# Altium PCB MB1137.PcbDoc (part 3 of 4) (continued)
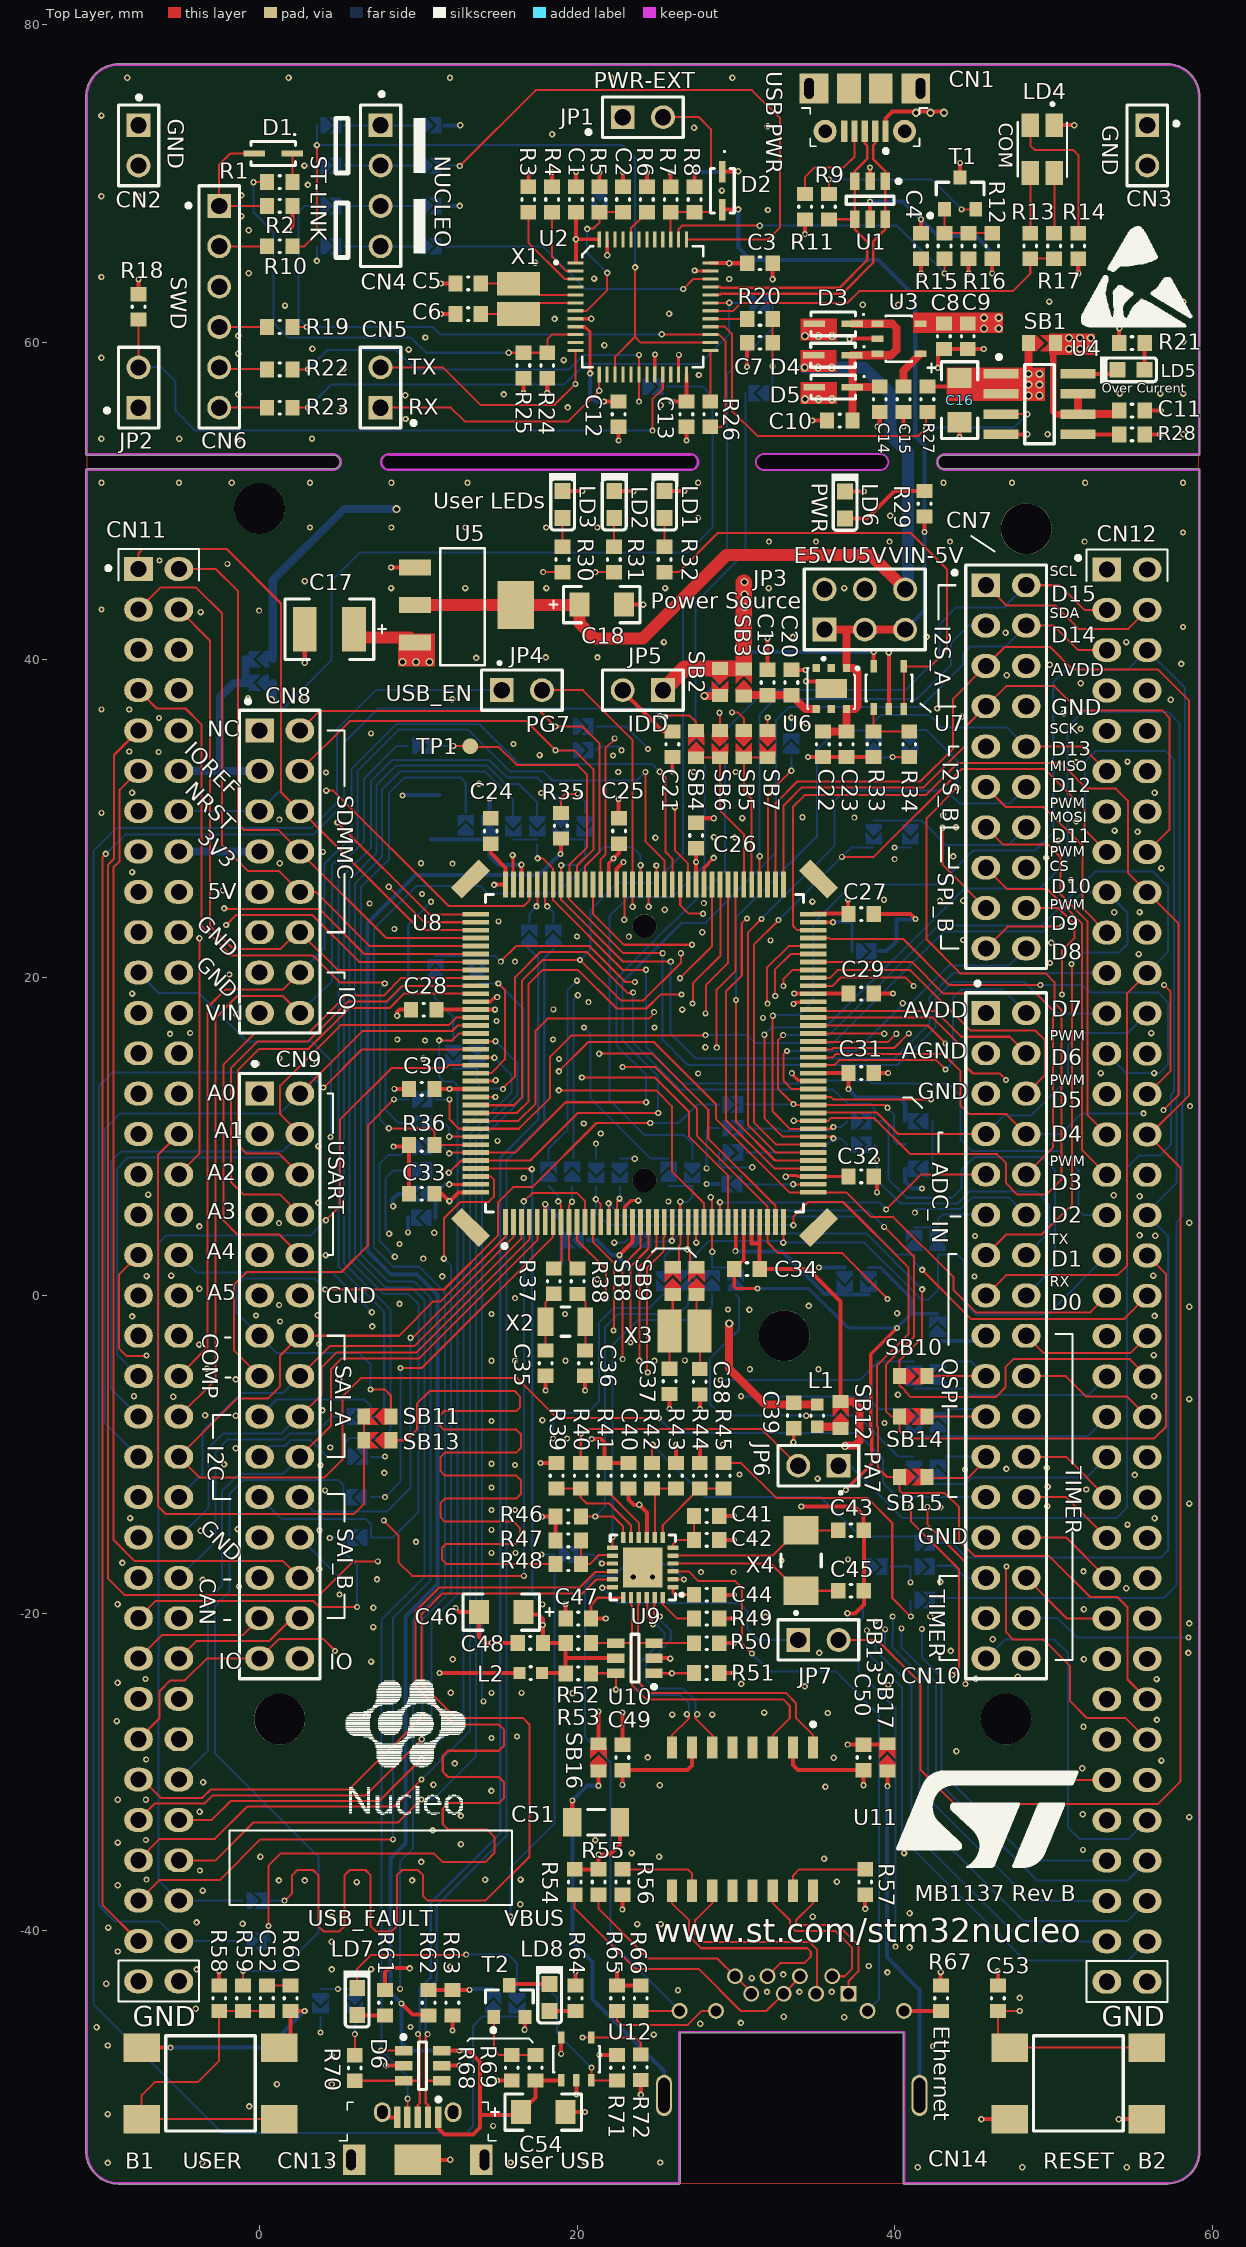
[diagram p0: Top Layer view]
## Nets (pads, with @x,y where several pads share a name; then routed paths per layer and width w, separated by ;. In a path a pad name is that pad's centre, name@x,y a point inside that pad or via, vN(x,y) a via of type N, cw(c..) or ccw(c..) an arc to the next point about the centre after c; other vN are vias at no path point) (continued)
  Top Layer w0.127: CN11.1@-7.62,45.72 -7.62,46.711 -7.341,46.99 -2.083,46.99 1.35,43.557 1.35,31.67 CN8.6@2.54,30.48 2.641,30.48 10.131,22.99 U8.111@13.607,22.99
PC11: CN8.8 CN11.2 U8.112 | length 36.9
  Top Layer w0.127: CN11.2@-5.08,45.72 -2.743,45.72 -1.346,44.323 -1.346,29.667 -0.991,29.312 1.168,29.312 CN8.8@2.54,27.94 7.99,22.49 U8.112@13.607,22.49
PC12: CN8.10 CN11.3 U8.113 | length 39.7
  Top Layer w0.127: CN11.3@-7.62,43.18 -6.248,44.552 -3.988,44.552 -2.362,42.926 -2.362,28.346 -0.737,26.721 1.219,26.721 CN8.10@2.54,25.4 3.531,25.4 6.941,21.99 U8.113@13.607,21.99
PC13: CN11.23 SB173.1 U8.7 | length 70.7
  Top Layer w0.127: v2(8.865,-4.572) 10.219,-4.572 18.482,3.691 U8.7@18.482,4.615
  Signal w0.127: CN11.23@-7.62,17.78 -9.366,16.034 -9.366,-10.726 -8.661,-11.43 6.629,-11.43 v2(7.899,-12.7)
  Bottom Layer w0.127: SB173.1@7.004,-12.7 v2(7.899,-12.7) 8.865,-11.735 v2(8.865,-4.572)
PC14: R37.2 SB144.1 U8.8 | length 5.7
  Top Layer w0.127: R37.2@18.517,1.695 19.002,2.181 19.002,4.594 U8.8@18.982,4.615 18.982,5.706 v1@18.796,5.891
  Bottom Layer w0.127: SB144.1@18.186,6.89 18.796,6.28 v1(18.796,5.918)
PC15: R38.2 SB145.1 U8.9 | length 5.5
  Top Layer w0.127: v1(19.667,5.891) 19.482,5.706 U8.9@19.482,4.615 19.482,2.223 R38.2@20.015,1.689
  Bottom Layer w0.127: v1(19.667,5.891) SB145.1@19.667,6.878
PD0: CN9.25 CN11.57 U8.114 | length 88.8
  Top Layer w0.127: v1@-2.285,24.332 3.176,24.332 3.76,24.332 6.602,21.49 U8.114@13.607,21.49
  Signal w0.127: -8.062,24.332 -7.178,24.332 ; -8.063,24.333 -8.585,24.333 -10.072,22.847 -10.072,-24.523 -9.195,-25.4 CN11.57@-7.62,-25.4 -6.299,-24.079 -6.299,-22.174 -5.791,-21.666 -3.353,-21.666 -2.515,-20.828 -2.515,-18.751 -1.544,-17.78 CN9.25@0,-17.78 ; -7.177,24.333 -5.523,24.333 ; -5.522,24.332 -4.638,24.332 ; -4.637,24.333 -2.261,24.333 v1(-2.235,24.359)
PD1: CN9.27 CN11.55 U8.115 | length 81.4
  Top Layer w0.127: CN11.55@-7.62,-22.86 -6.148,-21.388 -1.068,-21.388 CN9.27@0,-20.32 ; v1(-2.108,23.317) -1.474,23.951 3.303,23.951 6.264,20.99 U8.115@13.607,20.99
  Signal w0.127: -8.221,23.952 -8.427,23.952 -9.719,22.661 -9.719,-21.981 -8.84,-22.86 CN11.55@-7.62,-22.86 ; -8.22,23.951 -7.02,23.951 ; -7.019,23.952 -5.681,23.952 ; -5.68,23.951 -4.48,23.951 ; -4.479,23.952 -2.743,23.952 v1(-2.108,23.317)
PD2: CN8.12 CN11.4 U8.116 | length 39.5
  Top Layer w0.127: CN11.4@-5.08,43.18 -3.124,41.224 -3.124,23.277 -1.639,21.792 1.31,21.792 2.378,22.86 CN8.12@2.54,22.86 4.91,20.49 U8.116@13.607,20.49
PD3: CN9.10 CN11.40 U8.117 | length 44.4
  Top Layer w0.127: CN9.10@2.54,2.54 1.245,3.835 -1.396,3.835 -2.285,4.724 -2.285,14.518 -0.268,16.535 3.099,16.535 5.435,18.871 7.808,18.871 8.927,19.99 U8.117@13.607,19.99
  Signal w0.127: CN11.40@-5.08,-2.54 -2.667,-2.54 -1.219,-1.092 -1.219,0.66 -0.407,1.472 1.472,1.472 CN9.10@2.54,2.54
PD4: CN9.8 CN11.39 U8.118 | length 45.3
  Top Layer w0.127: CN9.8@2.54,5.08 1.257,6.363 -1.03,6.363 -1.803,7.136 -1.803,14.306 -0.133,15.977 3.039,15.977 5.553,18.49 7.975,18.49 8.974,19.49 U8.118@13.607,19.49
  Signal w0.127: CN11.39@-7.62,-2.54 -6.529,-1.449 -2.769,-1.449 -1.651,-0.331 -1.651,3.199 -0.838,4.012 1.472,4.012 CN9.8@2.54,5.08
PD5: CN9.6 CN11.41 U8.119 | length 52.2
  Top Layer w0.127: CN9.6@2.54,7.62 1.219,8.941 -0.838,8.941 -1.372,9.474 -1.372,14.173 -0.025,15.519 3.081,15.519 5.647,18.085 8.179,18.085 9.084,18.99 U8.119@13.607,18.99
  Bottom Layer w0.127: CN11.41@-7.62,-5.08 -8.965,-3.735 -8.965,7.977 -8.254,8.688 1.472,8.688 CN9.6@2.54,7.62
PD6: CN9.4 CN11.43 U8.122 | length 47
  Top Layer w0.127: CN9.4@2.54,10.16 1.295,11.405 1.295,13.208 5.105,17.018 11.906,17.018 12.378,17.49 U8.122@13.607,17.49
  Bottom Layer w0.127: CN11.43@-7.62,-7.62 -9.346,-5.894 -9.346,8.434 -8.711,9.069 1.449,9.069 CN9.4@2.54,10.16
PD7: CN9.2 CN11.45 U8.123 | length 47.5
  Top Layer w0.127: CN9.2@2.54,12.7 6.477,16.637 12.116,16.637 12.469,16.99 U8.123@13.607,16.99
  Bottom Layer w0.127: CN11.45@-7.62,-10.16 -9.727,-8.053 -9.727,10.49 -8.762,11.455 1.295,11.455 CN9.2@2.54,12.7
PD8: SB5.2 SB7.2 U8.77 | length 9.7
  Top Layer w0.127: U8.77@30.961,25.886 30.961,31.266 30.48,31.747 SB5.2@30.48,33.846 SB7.2@31.979,33.846
PD9: SB4.1 SB6.2 U8.78 | length 10.1
  Top Layer w0.127: SB4.1@27.483,33.845 SB6.2@28.981,33.846 28.981,30.531 30.48,29.032 U8.78@30.482,25.865
PD10: CN12.65 U8.79 | length 79.3
  Top Layer w0.127: v2(28.778,15.596) 28.778,19.248 29.972,20.442 U8.79@29.972,25.855
  Signal w0.127: v2(28.778,15.596) 29.461,14.912 36.954,14.912 38.278,13.589 38.278,-6.039 39.835,-7.596 39.835,-18.194 41.688,-20.047 v2(41.688,-21.006)
  Bottom Layer w0.127: v2(41.688,-21.006) 41.688,-22.79 42.926,-24.028 42.926,-30.023 48.489,-35.585 CN12.65@53.34,-35.585
PD11: CN12.45 SB174.2 SB175.1 U8.80 | length 75.9
  Top Layer w0.127: v2(28.067,17.755) 28.092,17.78 28.092,19.533 29.482,20.922 U8.80@29.482,25.865
  Signal w0.127: v2(28.067,17.755) 30.023,17.755 32.283,20.015 50.673,20.015 51.029,19.66 51.029,13.606 51.359,13.276 51.359,-8.204 CN12.45@53.34,-10.185
  Bottom Layer w0.127: 41.707,-11.862 44.45,-11.862 44.856,-11.455 52.07,-11.455 CN12.45@53.34,-10.185
PD12: CN12.43 SB171.2 SB172.1 U8.81 | length 74.3
  Top Layer w0.127: v2(27.254,18.382) 27.28,18.407 27.28,19.644 29.002,21.367 U8.81@29.002,25.844
  Signal w0.127: v2(27.254,18.382) 28.771,18.382 31.379,20.99 43.353,20.99 43.974,20.368 50.819,20.368 51.382,19.806 51.382,13.752 51.765,13.368 51.765,-6.071 CN12.43@53.34,-7.645
  Bottom Layer w0.127: 41.707,-8.865 43.205,-8.865 52.121,-8.865 CN12.43@53.34,-7.645
PD13: CN12.41 SB167.2 SB168.1 U8.82 | length 73.7
  Top Layer w0.127: v2(26.459,19.964) 28.482,21.987 U8.82@28.482,25.865
  Signal w0.127: v2(26.459,19.964) 27.904,19.964 30.852,22.912 46.162,22.912 ; 46.163,22.911 47.817,22.911 ; 47.818,22.912 50.012,22.912 51.735,21.189 51.735,13.898 52.146,13.487 52.146,-3.912 CN12.41@53.34,-5.105
  Bottom Layer w0.127: SB167.2@41.192,-5.874 43.205,-5.874 44.355,-5.874 44.755,-6.274 52.172,-6.274 CN12.41@53.34,-5.105
PD14: CN7.16 CN12.46 U8.85 | length 73.7
  Top Layer w0.127: v1@26.06,30.82 v1(26.142,30.738) 26.142,28.019 26.961,27.2 U8.85@26.961,25.886
  Signal w0.127: v1(26.142,30.738) 46.656,30.738 46.99,30.404 46.99,28.194 CN7.16@48.26,26.924 48.438,26.746 53.848,26.746 54.584,26.01 54.584,-8.889 CN12.46@55.88,-10.185
PD15: CN7.18 CN12.48 U8.86 | length 67.6
  Top Layer w0.127: U8.86@26.482,25.865 26.482,24.572 27.026,24.028 v1(27.913,24.028) ; CN7.18@48.26,24.384 50.293,24.384 51.308,23.369 51.308,22.504 50.521,21.717 v2(50.521,18.948)
  Signal w0.127: v1(27.913,24.028) 27.984,24.028 29.407,25.452 47.192,25.452 CN7.18@48.26,24.384 CN7.18@48.323,24.32 ; v2(50.521,18.948) 50.521,13.614 50.876,13.259 50.876,-8.738 51.918,-9.779 51.918,-10.668 52.588,-11.339 54.431,-11.339 55.818,-12.725 CN12.48@55.88,-12.725
PE0: CN10.33 CN12.64 U8.141 | length 83.6
  Top Layer w0.127: U8.141@13.607,7.99 17.105,7.99 v1(17.145,7.95)
  Signal w0.127: v2(17.805,-19.444) 18.259,-19.898 19.465,-19.898 19.653,-19.71 28.556,-19.71 30.538,-21.692 30.963,-21.692 32.322,-23.051 45.529,-23.051 CN10.33@45.72,-22.86
  Bottom Layer w0.127: v1(17.145,7.95) 17.17,7.95 17.166,7.945 17.166,-18.805 v2(17.805,-19.444) ; CN10.33@45.72,-22.86 46.914,-21.666 50.038,-21.666 50.876,-22.504 50.876,-33.477 51.613,-34.214 54.712,-34.214 CN12.64@55.88,-33.045
PE1: CN11.61 U8.142 | length 58.8
  Top Layer w0.127: CN11.61@-7.62,-30.48 -7.366,-30.48 -6.219,-31.627 -3.6,-31.627 -3.088,-31.115 5.627,-31.115 v2@10.262,-26.48 ; v1(11.608,2.318) 11.608,4.852 12.647,5.891 14.432,5.891 14.749,6.208 14.749,7.298 14.557,7.49 U8.142@13.607,7.49
  Bottom Layer w0.127: v2(10.262,-26.454) 10.262,-20.396 12.065,-18.593 12.065,1.861 v1(11.608,2.318) v1@11.627,2.337
PE2: CN9.14 CN10.25 CN11.46 U8.1 | length 88.6
  Top Layer w0.127: U8.1@15.482,4.615 15.482,3.701 11.399,-0.381 10.942,-0.381 8.783,-2.54 CN9.14@2.54,-2.54 1.295,-3.785 1.295,-5.715 0.533,-6.477 -1.397,-6.477 CN11.46@-5.08,-10.16 -3.785,-11.455 4.101,-11.455 5.207,-10.35 5.207,-6.375 6.375,-5.207 16.231,-5.207 18.745,-7.722 v2(25.146,-7.722)
  Bottom Layer w0.127: v2(25.146,-7.722) 26.086,-8.661 37.636,-8.661 39.243,-10.268 39.243,-11.786 40.157,-12.7 CN10.25@45.72,-12.7
PE3: CN9.22 CN11.47 U8.2 | length 38.5
  Top Layer w0.127: v2(9.5,-2.667) 9.652,-2.667 15.982,3.663 U8.2@15.982,4.615
  Signal w0.127: CN11.47@-7.62,-12.7 -6.552,-13.768 1.472,-13.768 CN9.22@2.54,-12.7
  Bottom Layer w0.127: CN9.22@2.54,-12.7 3.454,-13.614 8.001,-13.614 9.5,-12.116 v2(9.5,-2.667)
PE4: CN9.16 CN11.48 U8.3 | length 30.9
  Top Layer w0.127: CN9.16@2.54,-5.08 4.42,-3.2 9.727,-3.2 16.482,3.554 U8.3@16.482,4.615
  Bottom Layer w0.127: CN11.48@-5.08,-12.7 -3.607,-11.227 -3.607,-8.561 -1.194,-6.148 1.472,-6.148 CN9.16@2.54,-5.08
PE5: CN9.18 CN11.50 U8.4 | length 34.1
  Top Layer w0.127: CN9.18@2.54,-7.62 3.912,-6.248 3.912,-4.521 4.851,-3.581 9.885,-3.581 16.982,3.515 U8.4@16.982,4.615
  Bottom Layer w0.127: CN11.50@-5.08,-15.24 -3.2,-13.36 -3.2,-9.602 -2.286,-8.688 1.394,-8.688 2.461,-7.62 CN9.18@2.54,-7.62
PE6: CN9.20 CN11.62 U8.5 | length 48.9
  Top Layer w0.127: CN9.20@2.54,-10.16 4.496,-8.204 4.496,-4.648 5.182,-3.962 10.043,-3.962 17.482,3.476 U8.5@17.482,4.615
  Bottom Layer w0.127: CN11.62@-5.08,-30.48 -3.251,-28.651 -3.251,-19.126 -2.362,-18.237 -2.362,-12.294 -1.32,-11.251 1.449,-11.251 CN9.20@2.54,-10.16
PE7: CN10.20 CN12.44 U8.58 | length 41.8
  Top Layer w0.127: U8.58@34.857,16.99 42.052,16.99 v2@43.186,15.856 ; CN10.20@48.26,-5.08 50.749,-5.08 52.019,-6.35 54.585,-6.35 CN12.44@55.88,-7.645
  Signal w0.127: v2(43.18,15.85) 43.193,15.85 44.526,14.516 44.526,-3.531 44.806,-3.81 46.99,-3.81 CN10.20@48.26,-5.08
PE8: CN10.18 CN12.40 U8.59 | length 39.5
  Top Layer w0.127: U8.59@34.857,17.49 42.378,17.49 44.399,15.469 44.399,14.478 44.909,13.968 46.598,13.968 46.99,13.576 v2(46.99,13.564) ; CN10.18@48.26,-2.54 49.353,-3.633 54.812,-3.633 CN12.40@55.88,-2.565
  Signal w0.127: v2(46.99,13.564) 46.99,-1.27 CN10.18@48.26,-2.54
PE9: CN10.4 CN12.52 U8.60 | length 52.1
  Top Layer w0.127: U8.60@34.857,17.99 34.937,17.91 42.545,17.91 44.173,16.281 47.219,16.281 CN10.4@48.26,15.24
  Signal w0.127: CN10.4@48.26,15.24 50.394,13.106 50.394,-9.042 51.511,-10.16 51.511,-15.773 52.273,-16.535 54.61,-16.535 CN12.52@55.88,-17.805
PE10: CN10.24 CN12.47 U8.63 | length 47.1
  Top Layer w0.127: U8.63@34.857,19.49 36.076,19.49 36.601,20.015 40.64,20.015 v2(41.173,19.482) ; CN10.24@48.26,-10.16 50.775,-10.16 CN12.47@53.34,-12.725
  Signal w0.127: v2(41.173,19.482) 42.598,18.057 42.598,13.752 43.752,12.598 43.752,-8.369 44.451,-9.069 46.32,-9.069 ; 46.321,-9.068 47.168,-9.068 CN10.24@48.26,-10.16
PE11: CN10.6 CN12.56 U8.64 | length 60.4
  Top Layer w0.127: U8.64@34.857,19.99 35.916,19.99 36.395,20.469 40.95,20.469 44.757,16.662 48.844,16.662 49.454,16.053 49.454,13.894 CN10.6@48.26,12.7
  Signal w0.127: CN10.6@48.26,12.7 50.013,10.947 50.013,-9.161 51.13,-10.278 51.13,-20.117 52.526,-21.513 54.508,-21.513 CN12.56@55.88,-22.885
PE12: CN10.26 CN12.49 U8.65 | length 53.1
  Top Layer w0.127: v2(32.969,19.482) 32.969,19.908 33.551,20.49 U8.65@34.857,20.49 ; CN10.26@48.26,-12.7 50.775,-12.7 CN12.49@53.34,-15.265
  Signal w0.127: v2@32.995,19.507 40.056,19.507 42.189,17.374 42.189,13.602 43.37,12.421 43.37,-10.721 44.282,-11.632 47.192,-11.632 CN10.26@48.26,-12.7
PE13: CN10.10 CN12.55 U8.66 | length 60
  Top Layer w0.127: U8.66@34.857,20.99 41.059,20.99 43.05,18.999 48.895,18.999 49.936,17.958 49.936,9.296 CN10.10@48.26,7.62
  Signal w0.127: CN10.10@48.26,7.62 49.632,6.248 49.632,-9.279 50.749,-10.397 50.749,-20.295 CN12.55@53.34,-22.885
PE14: CN10.28 CN12.51 U8.67 | length 58.8
  Top Layer w0.127: v2(32.461,18.841) 32.461,20.524 33.427,21.49 U8.67@34.857,21.49 ; CN10.28@48.26,-15.24 50.775,-15.24 CN12.51@53.34,-17.805
  Signal w0.127: v2@32.461,18.793 33.408,17.847 40.243,17.847 41.483,16.607 41.483,12.225 42.227,11.481 42.227,-11.517 43.696,-12.985 43.696,-15.375 44.629,-16.308 47.192,-16.308 CN10.28@48.26,-15.24
PE15: CN10.30 CN12.53 U8.68 | length 64.3
  Top Layer w0.127: v2(31.971,18.364) 31.953,18.382 31.953,20.644 33.299,21.99 U8.68@34.857,21.99 ; CN10.30@48.26,-17.78 50.825,-20.345 CN12.53@53.34,-20.345
  Signal w0.127: v2@32.002,18.333 32.372,18.333 33.24,17.466 37.5,17.466 40.063,14.902 40.063,1.319 38.984,0.24 38.984,-6.246 40.188,-7.45 40.188,-18.039 41.199,-19.05 46.99,-19.05 CN10.30@48.26,-17.78
PF0: CN11.53 SB176.2 U8.10 | length 54.2
  Top Layer w0.127: CN11.53@-7.62,-20.32 -6.529,-19.229 3.365,-19.229 3.746,-19.609 v2(6.147,-19.609) ; U8.10@19.982,4.615 19.982,3.48 21.793,1.668 v2(21.793,-0.229)
  Signal w0.127: v2(4.42,-15.265) 7.791,-15.265 13.1,-9.957 20.708,-9.957 21.768,-8.897 v2@21.768,-0.254
  Bottom Layer w0.127: v2(4.42,-15.265) 4.445,-15.24 SB176.2@5.315,-15.24 5.315,-16.161 6.121,-16.967 6.121,-19.583 v2(6.147,-19.609)
PF1: CN11.51 SB170.2 U8.11 | length 64.7
  Top Layer w0.127: v2(7.824,-14.172) 8.738,-15.086 8.738,-16.789 9.601,-17.653 v2(16.637,-17.653) ; v1(16.637,5.918) 17.158,6.439 19.994,6.439 20.482,5.952 U8.11@20.482,4.615
  Signal w0.127: CN11.51@-7.62,-17.78 -6.325,-16.485 -6.325,-14.657 -5.841,-14.172 v2(7.824,-14.172) 8.998,-12.999 8.998,-10.598 8.534,-10.135 v2(7.899,-10.135)
  Bottom Layer w0.127: SB170.2@7.004,-10.16 v2@7.874,-10.16 ; v2(16.637,-17.653) v1(16.637,5.918)
PF2: CN11.52 SB169.2 U8.12 | length 63
  Top Layer w0.127: U8.12@20.982,4.615 20.982,3.369 22.301,2.049 v2@22.301,-2.184
  Signal w0.127: CN11.52@-5.08,-17.78 -4.012,-16.712 4.141,-16.712 4.928,-15.926 8.687,-15.926 13.259,-11.354 19.85,-11.354 22.276,-8.928 v2(22.276,-2.21)
  Bottom Layer w0.127: CN11.52@-5.08,-17.78 -2.769,-15.469 -2.769,-9.831 -2.007,-9.069 1.512,-9.069 1.893,-8.687 2.097,-8.687 ; 2.098,-8.688 3.504,-8.688 4.572,-7.62 SB169.2@5.29,-7.62
PF3: CN12.58 SB15.1 SB146.2 U8.13 | length 66.7
  Top Layer w0.127: v1(21.173,6.048) 21.45,5.771 21.45,4.646 U8.13@21.482,4.615 ; v1(33.604,4.42) 33.604,4.953 34.531,5.88 36.728,5.88 40.843,1.765 40.843,-2.445 38.865,-4.423 38.865,-8.225 38.928,-8.289 38.928,-10.861 39.497,-11.43 SB15.1@40.291,-11.43 40.291,-12.288 40.449,-12.446 43.129,-12.446 44.033,-13.349 44.033,-15.432 45.009,-16.408 49.708,-16.408 52.273,-18.974 53.975,-18.974 54.635,-19.634 54.635,-24.181 CN12.58@55.88,-25.425
  Bottom Layer w0.127: SB146.2@21.184,6.89 21.184,5.207 21.971,4.42 v1(33.604,4.42)
PF4: CN12.38 SB158.1 U8.14 | length 39
  Top Layer w0.127: U8.14@21.982,4.615 v1@21.982,5.791 ; v1(41.707,1.6) 44.779,-1.472 54.433,-1.472 CN12.38@55.88,-0.025
  Bottom Layer w0.127: v1(21.971,5.791) 22.809,4.953 37.719,4.953 40.1,2.572 SB158.1@41.199,2.572 41.199,2.108 v1(41.707,1.6)
PF5: CN12.36 SB14.1 SB147.2 U8.15 | length 63.3
  Top Layer w0.127: U8.15@22.492,4.625 22.492,5.88 22.682,6.071 v1(22.657,6.096) ; v2(39.319,4.318) 41.196,2.441 41.196,-2.591 39.421,-4.366 39.421,-7.29 39.751,-7.62 SB14.1@40.291,-7.62 40.291,-8.541 40.754,-9.004 56.325,-9.004 57.074,-8.255 57.074,1.321 CN12.36@55.88,2.515
  Bottom Layer w0.127: v1(22.657,6.096) v1@22.682,6.071 ; SB147.2@22.682,6.845 v1@22.682,6.071 ; v2(39.319,4.318) 38.303,5.334 23.419,5.334 v1@22.682,6.071
PF6: CN11.9 U8.18 | length 105.1
  Top Layer w0.127: CN11.9@-7.62,35.56 -9.163,34.017 -9.163,27.477 -9.546,27.093 -9.546,-17.81 -8.508,-18.848 3.784,-18.848 5.893,-16.739 v2(7.442,-16.739) ; v2@22.835,-3.988 22.835,1.842 23.982,2.989 U8.18@23.982,4.615
  Signal w0.127: v2(7.442,-16.739) 9.525,-16.739 13.36,-12.903 18.872,-12.903 22.86,-8.915 v2(22.86,-4.013)
PF7: CN9.26 CN11.11 U8.19 | length 100.3
  Top Layer w0.127: CN11.11@-7.62,33.02 -8.81,31.83 -8.81,27.33 -9.193,26.947 -9.193,-15.395 -7.875,-16.712 1.472,-16.712 CN9.26@2.54,-17.78 ; v2(23.343,-2.972) 23.343,1.811 24.482,2.95 U8.19@24.482,4.615
  Signal w0.127: CN9.26@2.54,-17.78 5.817,-17.78 6.274,-17.323 9.703,-17.323 12.776,-14.249 16.205,-14.249 17.165,-13.29 19.025,-13.29 23.368,-8.946 v2@23.368,-2.997
PF8: CN9.24 CN11.54 U8.20 | length 55.2
  Top Layer w0.127: v2(23.901,-4.115) 23.927,-4.115 23.927,1.848 24.982,2.902 U8.20@24.982,4.615
  Signal w0.127: CN11.54@-5.08,-20.238 CN11.54@-5.08,-20.32 -6.401,-18.999 -6.401,-17.094 -5.614,-16.308 1.472,-16.308 CN9.24@2.54,-15.24 ; v2(5.029,-18.821) 9.169,-18.821 12.725,-15.265 17.588,-15.265 23.927,-8.926 23.927,-4.115 v2(23.901,-4.115)
  Bottom Layer w0.127: CN9.24@2.54,-15.24 5.029,-17.729 v2(5.029,-18.821)
PF9: CN9.28 CN11.56 U8.21 | length 49.3
  Top Layer w0.127: CN11.56@-5.08,-22.86 -3.989,-21.769 0.592,-21.769 1.917,-20.443 2.417,-20.443 CN9.28@2.54,-20.32 ; v2(24.435,-4.851) 24.387,-4.803 24.387,1.73 25.438,2.781 25.438,3.645 25.482,3.688 U8.21@25.482,4.615
  Signal w0.127: CN9.28@2.54,-20.32 8.515,-20.32 13.214,-15.621 17.771,-15.621 24.435,-8.957 v2(24.435,-4.851)
PF10: CN12.42 SB10.1 SB157.2 U8.22 | length 44.5
  Top Layer w0.127: v1@25.982,3.404 U8.22@25.982,4.615 ; v1(41.707,0.373) 41.707,-2.657 40.291,-4.073 SB10.1@40.291,-5.08 40.291,-5.688 40.358,-5.756 40.387,-5.756 40.676,-6.044 40.676,-6.073 41.003,-6.401 46.33,-6.401 46.965,-5.766 46.965,-4.496 47.448,-4.012 48.702,-4.012 48.704,-4.014 54.789,-4.014 CN12.42@55.88,-5.105
  Bottom Layer w0.127: SB157.2@24.86,3.404 25.982,3.404 26.477,3.899 38.181,3.899 v1(41.707,0.373)
  other v1: 25.959,3.429
PF11: CN12.62 U8.49 | length 59.7
  Top Layer w0.127: U8.49@34.857,12.49 35.959,12.49 36.106,12.343 42.244,12.343 42.266,12.322 v2(42.266,12.343)
  Signal w0.127: v2(42.266,12.343) 42.598,12.01 42.598,-11.388 44.049,-12.838 44.049,-13.28 44.917,-14.149 49.158,-14.149 49.555,-14.546 49.555,-22.411 51.219,-24.075 51.219,-27.877 52.426,-29.083 54.458,-29.083 CN12.62@55.88,-30.505
PF12: CN7.20 CN12.59 U8.50 | length 76.1
  Top Layer w0.127: v2(33.203,15.392) 32.982,15.171 32.982,13.5 33.492,12.99 U8.50@34.857,12.99
  Signal w0.127: v2@40.419,18.39 v2(40.488,18.39) 41.836,17.041 41.836,13.455 43.004,12.288 43.004,-11.025 44.53,-12.552 44.53,-13.131 45.141,-13.741 49.367,-13.741 49.377,-13.752 49.413,-13.752 49.987,-14.326 49.987,-22.344 51.765,-24.122 51.765,-25.83 53.34,-27.405 CN12.59@53.34,-27.965
  Bottom Layer w0.127: v2(33.203,15.392) 37.568,15.392 v2@40.565,18.39 ; v2(40.488,18.39) v2@40.565,18.39 ; CN7.20@48.26,21.844 47.168,20.752 43.383,20.752 41.021,18.39 v2@40.565,18.39
PF13: CN10.2 CN12.57 U8.53 | length 64.9
  Top Layer w0.127: U8.53@34.857,14.49 36.167,14.49 36.49,14.813 42.591,14.813 v2(43.18,14.224)
  Signal w0.127: v2(43.18,14.224) 44.133,13.271 44.133,-8.064 44.756,-8.688 46.162,-8.688 ; 46.163,-8.687 47.792,-8.687 ; 47.792,-8.688 48.515,-8.688 50.368,-10.541 50.368,-22.226 53.34,-25.197 CN12.57@53.34,-25.425
  Bottom Layer w0.127: v2(43.18,14.224) 43.664,14.708 43.664,18.762 44.155,19.253 46.787,19.253 CN10.2@48.26,17.78
PF14: CN10.8 CN12.50 U8.54 | length 53.1
  Top Layer w0.127: U8.54@34.857,14.99 36.077,14.99 36.281,15.194 43.048,15.194 44.133,14.11 44.133,11.951 44.679,11.405 47.015,11.405 CN10.8@48.26,10.16
  Signal w0.127: v1(55.642,11.455) 56.413,11.455 57.07,10.799 57.07,10.342 57.074,10.338 57.074,-14.072 CN12.50@55.88,-15.265
  Bottom Layer w0.127: CN10.8@48.26,10.16 50.47,10.16 51.765,11.455 v1(55.642,11.455) v1@55.677,11.49
PF15: CN10.12 CN12.60 U8.55 | length 68.9
  Top Layer w0.127: U8.55@34.857,15.49 36.038,15.49 36.123,15.575 39.951,15.575 40.866,16.49 v2(40.869,16.49) ; v2(47.015,-17.069) 46.99,-17.094 46.99,-21.209 47.447,-21.666 49.352,-21.666 51.003,-23.317 51.003,-25.527 52.086,-26.61 54.525,-26.61 CN12.60@55.88,-27.965
  Signal w0.127: v2(40.869,16.49) 41.13,16.228 41.13,5.326 v2(41.25,5.207) ; v2@41.186,5.207 41.186,-0.058 41.834,-0.706 41.834,-11.622 43.343,-13.131 43.343,-15.521 44.51,-16.689 46.635,-16.689 v2(47.015,-17.069)
  Bottom Layer w0.127: v2(41.25,5.207) 41.186,5.207 41.412,5.433 44.118,5.433 44.856,6.171 47.169,6.171 CN10.12@48.26,5.08
PG0: CN9.29 CN11.59 U8.56 | length 105.6
  Top Layer w0.127: CN11.59@-7.62,-27.94 -6.299,-26.619 -6.299,-24.917 -5.613,-24.232 -4.701,-24.232 -3.329,-22.86 CN9.29@0,-22.86 1.219,-21.641 4.039,-21.641 4.75,-22.352 v2(4.75,-22.377) ; U8.56@34.885,15.961 39.573,15.961 v2(40.081,16.469) ; v2(42.037,-13.31) 42.037,-14.394 44.425,-16.782 v2(44.425,-24.46)
  Signal w0.127: v2(4.75,-22.377) 4.75,-22.352 4.752,-22.349 26.449,-22.349 29.299,-25.199 43.685,-25.199 v2(44.425,-24.46) ; v2(40.081,16.469) 40.77,15.781 40.77,-0.18 41.453,-0.864 41.453,-12.725 v2(42.037,-13.31)
PG1: CN9.30 CN11.58 U8.57 | length 99.4
  Top Layer w0.127: U8.57@34.857,16.49 v2@39.303,16.49 ; v2(41.021,-13.31) 41.021,-14.242 44.028,-17.249 44.028,-23.485 v2(43.612,-23.901)
  Signal w0.127: CN11.58@-5.08,-25.4 -5.055,-25.4 -1.27,-21.615 1.295,-21.615 CN9.30@2.54,-22.86 4.013,-21.387 28.395,-21.387 30.909,-23.901 v2(43.612,-23.901) ; v2(39.324,16.469) 40.416,15.377 40.416,-0.327 40.432,-0.342 40.432,-0.452 40.996,-1.016 40.996,-13.284 v2(41.021,-13.31)
PG2: CN8.14 CN11.42 U8.87 | length 74.1
  Top Layer w0.127: CN11.42@-5.08,-5.08 -3.277,-3.277 -3.277,18.123 -2.147,19.252 1.472,19.252 CN8.14@2.54,20.32 ; v1(25.197,32.969) 25.552,32.614 25.552,27.924 25.982,27.495 U8.87@25.982,25.865
  Bottom Layer w0.127: CN8.14@2.54,20.32 4.089,21.869 4.089,27.163 5.778,28.852 5.778,33.125 8.617,35.964 13.846,35.964 16.358,33.452 24.714,33.452 v1(25.197,32.969)
PG3: CN8.16 CN11.44 U8.88 | length 77.4
  Top Layer w0.127: CN11.44@-5.08,-7.62 -2.769,-5.309 -2.769,17.475 -1.396,18.848 1.472,18.848 CN8.16@2.54,17.78 ; v2(24.282,32.944) 24.282,28.575 25.502,27.355 U8.88@25.502,25.886
  Bottom Layer w0.127: CN8.16@2.54,17.78 4.547,19.787 4.547,27.082 6.159,28.694 6.159,33.006 8.763,35.611 13.132,35.611 15.773,32.969 17.882,32.969 18.44,32.41 23.749,32.41 v2(24.282,32.944)
PG4: CN12.69 U8.89 | length 92.3
  Top Layer w0.127: v1@24.968,27.075 v1(24.982,27.061) U8.89@24.982,25.865
  Signal w0.127: v1(24.982,27.061) 23.282,25.362 22.861,25.362 21.612,24.113 21.612,16.803 25.875,12.54 35.225,12.54 36.866,10.899 36.866,-7.724 38.367,-9.226 38.367,-20.092 v2(38.772,-20.498)
  Bottom Layer w0.127: v2(38.772,-20.498) 38.772,-22.332 41.027,-24.587 41.027,-33.687 48.006,-40.665 CN12.69@53.34,-40.665
PG5: CN12.68 U8.90 | length 92.6
  Top Layer w0.127: U8.90@24.482,25.865 24.482,24.464 v1(24.486,24.46) v1@24.486,24.366
  Signal w0.127: v1(24.486,24.46) 23.965,24.981 23.019,24.981 21.965,23.927 21.965,16.949 26.021,12.893 35.371,12.893 37.219,11.045 37.219,-7.578 38.72,-9.079 38.72,-19.767 39.38,-20.427 v2(39.38,-21.018)
  Bottom Layer w0.127: v2(39.38,-21.018) 39.38,-22.242 41.548,-24.409 41.548,-32.836 48.108,-39.395 54.61,-39.395 CN12.68@55.88,-38.125
PG6: CN12.70 SB186.1 SB187.1 U8.91 | length 191.9
  Top Layer w0.127: U8.91@23.982,25.865 v1(23.982,27.08)
  Signal w0.127: v2(4.928,-43.667) 8.834,-43.667 v2(8.852,-43.65) ; v1(23.982,27.08) 21.258,24.357 21.258,16.657 26.405,11.511 33.806,11.511 34.547,10.77 34.547,10.761 36.449,8.859 36.449,-7.807 38.014,-9.372 38.014,-20.869 v2(38.227,-21.082)
  Bottom Layer w0.127: SB187.1@3.835,-43.667 v2(4.928,-43.667) SB186.1@5.994,-43.667 ; v2(8.852,-43.65) 8.852,-35.624 9.661,-34.814 9.661,-20.4 11.659,-18.402 11.659,0.203 10.058,1.803 8.417,1.803 7.209,3.012 7.209,23.109 9.862,25.763 13.918,25.763 14.376,25.305 18.754,25.305 21.668,28.219 23.482,28.219 23.982,27.719 v1(23.982,27.08) ; v2(38.227,-21.082) 38.227,-22.454 40.437,-24.663 40.437,-34.138 48.158,-41.859 54.686,-41.859 CN12.70@55.88,-40.665
PG7: CN12.67 JP4.2 U8.92 | length 102
  Top Layer w0.127: JP4.2@17.78,38.1 20.344,38.1 23.461,34.983 23.461,25.886 U8.92@23.482,25.865 v1(23.482,24.46)
  Signal w0.127: v1(23.482,24.46) 23.037,24.46 22.318,23.741 22.318,17.096 26.167,13.246 35.517,13.246 37.572,11.192 37.572,-7.432 39.073,-8.933 39.073,-19.435 v2(39.853,-20.214)
  Bottom Layer w0.127: v2(39.853,-20.214) 39.86,-20.222 39.86,-21.217 39.853,-21.224 39.853,-22.168 42.069,-24.384 42.069,-31.63 48.564,-38.125 CN12.67@53.34,-38.125
PG8: CN12.66 U8.93 | length 87.9
  Top Layer w0.127: U8.93@22.961,25.844 v1(22.961,23.648) v1@23.012,23.597
  Signal w0.127: v1(22.961,23.648) 22.671,23.358 22.671,17.301 25.412,14.559 36.808,14.559 37.925,13.443 37.925,-7.285 39.426,-8.787 39.426,-18.937 40.416,-19.927 v2(40.416,-20.955)
  Bottom Layer w0.127: v2(40.416,-20.955) 40.416,-22.177 42.573,-24.333 42.573,-30.457 48.946,-36.83 54.635,-36.83 CN12.66@55.88,-35.585
PG9: CN11.63 SB130.1 SB134.1 U8.124 | length 73.2
  Top Layer w0.127: CN11.63@-7.62,-33.02 -6.58,-31.98 -3.454,-31.98 -2.941,-31.468 6.683,-31.468 v2(10.211,-27.94) ; v1(11.303,16.053) 12.141,16.053 12.578,16.49 U8.124@13.607,16.49
  Bottom Layer w0.127: v2(10.211,-27.94) 10.82,-27.33 10.82,-20.465 11.855,-19.431 11.862,-19.431 12.471,-18.821 12.471,13.183 12.184,13.47 11.581,13.47 11.303,13.748 v1(11.303,16.053) 11.354,16.002 SB134.1@12.192,16.002 12.192,17.551 11.049,18.694 SB130.1@11.049,19.641
PG10: CN11.66 SB135.1 U8.125 | length 70.5
  Top Layer w0.127: CN11.66@-5.08,-35.56 -2.769,-35.56 -0.381,-33.172 8.738,-33.172 v2(10.185,-31.725) ; U8.125@13.607,15.99 v1@14.84,15.99
  Bottom Layer w0.127: v2(10.185,-31.725) 10.929,-31.725 13.614,-29.039 13.614,9.982 16.231,12.598 16.231,14.624 v1(14.852,16.002) SB135.1@13.691,16.002
PG11: CN11.70 SB183.1 U8.126 | length 87
  Top Layer w0.127: v2(4.013,13.081) 4.039,13.081 6.448,15.49 U8.126@13.607,15.49
  Bottom Layer w0.127: SB183.1@-1.06,-40.64 CN11.70@-5.08,-40.64 -6.312,-39.408 -9.106,-39.408 -10.109,-38.405 -10.109,13.183 -9.271,14.021 -8.545,14.021 -8.021,14.021 3.073,14.021 v2(4.013,13.081)
PG12: CN11.65 U8.127 | length 69.3
  Top Layer w0.127: CN11.65@-7.62,-35.56 -6.274,-34.214 -2.819,-34.214 -0.78,-32.174 8.491,-32.174 v2(10.185,-30.48) ; U8.127@13.607,14.99 v1@14.779,14.99
  Bottom Layer w0.127: v2(10.185,-30.48) 13.233,-27.432 13.233,10.142 15.85,12.758 15.85,13.894 v1(14.783,14.961)
PG13: CN11.68 SB182.1 U8.128 | length 73.7
  Top Layer w0.127: v1@4.166,4.724 v1(4.178,4.737) 5.055,5.613 5.055,11.049 8.306,14.3 11.715,14.3 11.905,14.49 U8.128@13.607,14.49
  Bottom Layer w0.127: SB182.1@-1.06,-38.1 CN11.68@-5.08,-38.1 -6.35,-36.83 -6.35,3.302 -5.867,3.785 3.226,3.785 v1(4.178,4.737)
PG14: CN12.61 SB131.1 U8.129 | length 96.9
  Top Layer w0.127: U8.129@13.607,13.99 14.574,13.99 15.441,14.856 15.441,19.23 v1(15.037,19.634) ; v2(44.374,-30.505) CN12.61@53.34,-30.505
  Signal w0.127: v2(14.097,-25.552) 39.421,-25.552 v2(44.374,-30.505)
  Bottom Layer w0.127: SB131.1@13.691,19.641 15.03,19.641 v1(15.037,19.634) 16.612,18.059 16.612,12.441 13.995,9.824 13.995,-25.375 14.173,-25.552 v2(14.097,-25.552)
PG15: CN11.64 U8.132 | length 61.7
  Top Layer w0.127: CN11.64@-5.08,-33.02 -2.997,-33.02 -1.798,-31.821 7.549,-31.821 v2(10.185,-29.185) ; U8.132@13.607,12.49 v1(14.845,12.49)
  Bottom Layer w0.127: v2(10.185,-29.185) 12.852,-26.518 12.852,10.517 v1@14.845,12.51
PH0: SB8.2 SB148.1 SB149.2 U8.23 | length 7.5
  Top Layer w0.127: SB8.2@25.984,1.689 26.403,2.108 26.403,3.111 26.502,3.21 26.502,4.594 U8.23@26.482,4.615 v1(26.482,5.893)
  Bottom Layer w0.127: SB148.1@25.748,6.89 SB149.2@27.247,6.89 27.247,6.194 26.945,5.893 v1(26.482,5.893) v1@26.492,5.903
PH1: SB9.2 SB163.1 U8.24 | length 5.4
  Top Layer w0.127: v1(26.924,2.896) 27.102,2.718 27.102,2.076 SB9.2@27.483,1.695 ; v1@26.961,2.933 U8.24@26.961,4.594
  Bottom Layer w0.127: SB163.1@25.476,1.772 25.476,2.464 25.883,2.87 v1@26.949,2.87